# Altium PCB TINYMODULE-V3.PcbDoc (part 1 of 2) (continued)
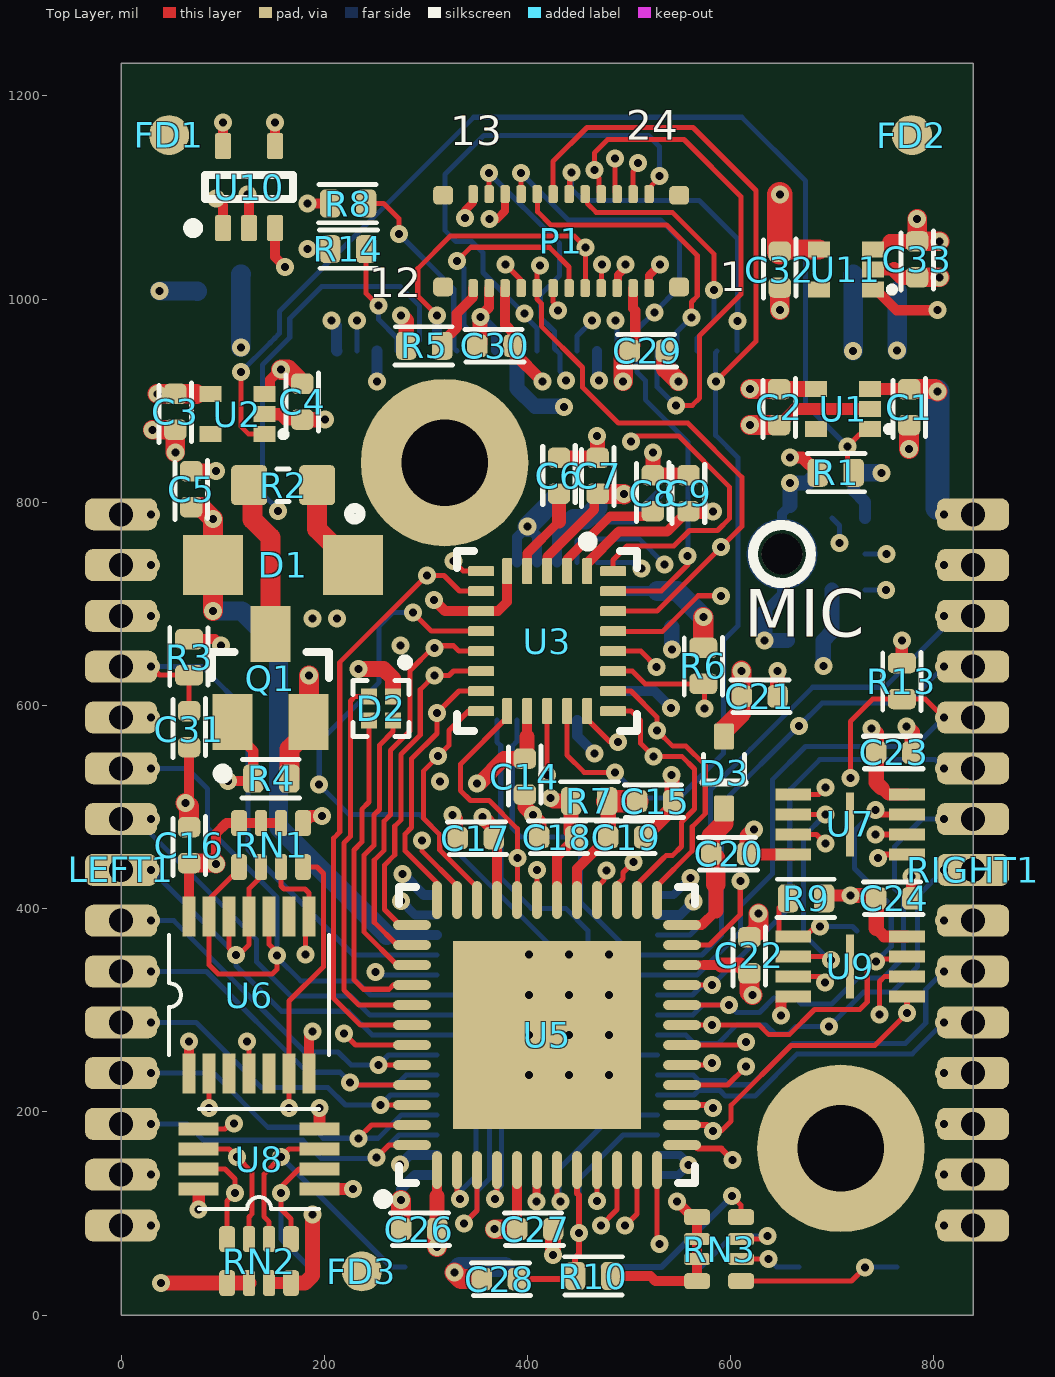
[diagram p0: Top Layer view]
## Components (designator, comment, footprint, x,y, rotation, side; value= is the part's Value field where it differs from the comment)
C1 "4.7uF" CAPC100X50X60L25N 775.58,893.7 r90 top locked
C2 "4.7uF" CAPC100X50X60L25N 647.63,893.7 r90 top locked
C3 "4.7uF" CAPC100X50X60L25N 53.42,889.05 r90 top locked
C4 "4.7uF" CAPC100X50X60L25N 178.42,899.06 r90 top locked
C5 "4.7uF" CAPC100X50X60L25N 68.89,812.99 r90 top locked
C6 "DNI" CAPC100X50X60L25N 431,826 r270 top
C7 "DNI" CAPC100X50X60L25N 469,826 r90 top
C8 "DNI" CAPC100X50X60L25N 523.42,809.06 r270 top locked
C9 "DNI" CAPC100X50X60L25N 558.42,809.06 r90 top locked
C10 "0.1uF" CAPC100X50X60L25N 431,826 r90 bottom
C11 "0.1uF" CAPC100X50X60L25N 469,826 r90 bottom
C12 "0.1uF" CAPC100X50X60L25N 542,695 r270 bottom
C13 "0.1uF" CAPC100X50X60L25N 703.42,829.05 r180 bottom
C14 "DNI" CAPC100X50X60L25N 397.41,530.05 r270 top locked
C15 "4.7uF" CAPC100X50X60L25N 525.59,505.91 r0 top locked
C16 "0.1uF" CAPC100X50X60L25N 66.92,462.6 r90 top locked
C17 "0.1uF" CAPC100X50X60L25N 349.17,469.48 r180 top
C18 "0.1uF" CAPC100X50X60L25N 429.13,470.48 r180 top locked
C19 "0.1uF" CAPC100X50X60L25N 497.12,470.48 r0 top locked
C20 "0.1uF" CAPC100X50X60L25N 598.42,454.06 r0 top locked
C21 "4.7uF" CAPC100X50X60L25N 628.43,609.07 r180 top locked
C22 "0.1uF" CAPC100X50X60L25N 618.43,354.06 r90 top locked
C23 "0.1uF" CAPC100X50X60L25N 760.9,553.75 r0 top locked
C24 "0.1uF" CAPC100X50X60L25N 760.9,410.2 r0 top locked
C25 "470pF" CAPC100X50X60L25N 673.42,664.05 r180 bottom
C26 "0.1uF" CAPC100X50X60L25N 293.31,84.65 r180 top locked
C27 "0.1uF" CAPC100X50X60L25N 407.48,84.65 r0 top locked
C28 "470pF" CAPC100X50X60L25N 372.82,35.44 r180 top locked
C29 "0.1uF" CAPC100X50X60L25N 518.42,949.06 r0 top locked
C30 "0.1uF" CAPC100X50X60L25N 368.43,954.06 r0 top locked
C31 "DNI" CAPC100X50X60L25N 66.92,576.77 r270 top locked
C32 "0.1uF" CAPC100X50X60L25N 648.42,1029.05 r270 top locked
C33 "4.7uF" CAPC100X50X60L25N 783.42,1039.06 r90 top locked
D1 "VSMY12850" vsmy12850 159.45,738.19 r180 top locked
D2 "UHD1110-FKA-CL1A13R3Q1BBQFMF3" UHD1110-FKA 255.9,597.24 r0 top locked
D3 "1N4148WT-7" SOD523F 593.42,534.04 r90 top locked
FD1 "FCM" FID100X200N 47.24,1161.42 r90 top
FD2 "FCM" FID100X200N 778.42,1161.42 r90 top
FD3 "FCM" FID100X200N 237,43 r0 top
FD4 "FCM" FID100X200N 747,899 r90 bottom
FD5 "FCM" FID100X200N 86,889 r90 bottom
FD6 "FCM" FID100X200N 90.55,47.25 r90 bottom
J1 "52437-2491" 524372491 419.29,964.57 r0 bottom locked
LEFT1 "CONN_GENERIC_15" CONN_GENERIC_1.27mm_15cont 0,438.19 r270 top locked
MK1 "SPH0645LM4H-B" Knowles_SPH0645LM4H-B_0 678.43,749.06 r90 bottom
P1 "503772-2420" 503772-2410 433.07,1057.09 r180 top locked
P2 "DF23C-30DS-0.5V(51)" DF23C-30DS-0.5V 419.29,275.59 r90 bottom
Q1 "FDV301N" FAIR-SOT23-3_V 147,627 r0 top
R1 "10k" RESC100X50X40L25N 703.43,829.06 r180 top locked
R2 "20" RESC1608X55N 159.45,816.93 r0 top locked
R3 "DNI" RESC100X50X40L25N 66.92,647.64 r270 top locked
R4 "10k" RESC100X50X40L25N 147.83,528.02 r0 top
R5 "0" RESC100X50X40L25N 298.42,954.06 r0 top locked
R6 "10k" RESC100X50X40L25N 573,639 r90 top
R7 "100" RESC100X50X40L25N 460.63,505.91 r180 top locked
R8 "10k" RESC100X50X40L25N 223.43,1094.06 r0 top locked
R9 "10k" RESC100X50X40L25N 674.29,410.2 r0 top locked
R10 "10k" RESC100X50X40L25N 464.57,38.47 r180 top locked
R13 "4.7k" RESC100X50X40L25N 768.42,624.06 r90 top locked
R14 "4.7k" RESC100X50X40L25N 223.43,1049.07 r180 top locked
RIGHT1 "CONN_GENERIC_15" CONN_GENERIC_1.27mm_15cont 838.58,438.19 r270 top locked
RN1 "10K" RESCAXS50P100X200X45-8NA 147.64,462.6 r90 top locked
RN2 "10K" RESCAXS50P100X200X45-8NA 135.83,53.15 r270 top locked
RN3 "10K" RESCAXS50P100X200X45-8NA 588.58,64.96 r180 top locked
TP1 "TEST POINT" TP-R20 529,808 r90 bottom
TP2 "TEST POINT" TP-R20 474.4,47.25 r90 bottom
TP3 "TEST POINT" TP-R20 667.32,47.25 r90 bottom
TP4 "TEST POINT" TP-R20 281.49,47.25 r90 bottom
TP5 "TEST POINT" TP-R20 763.77,47.25 r90 bottom
TP6 "TEST POINT" TP-R20 570.86,47.25 r90 bottom
TP7 "TEST POINT" TP-R20 377.95,47.25 r90 bottom
TP8 "TEST POINT" TP-R20 185.03,47.25 r90 bottom
TP9 "TEST POINT" TP-R20 724.42,378.02 r90 bottom
U1 "TCR2LE18ESV" SOT-553 710.63,891.73 r90 top locked
U2 "TCR2LE12ESV" SOT-553 114.45,886.73 r90 top locked
U3 "PAJ6100U6" lga26 419.29,663.39 r270 top
U4 "ICM-20689" QFN50P400X400X95-25N 419.29,663.39 r0 bottom
U5 "ICE40UP5K-SG48I" SLAB-QFN48-7X7-MD 419.29,275.59 r90 top locked
U6 "TC7MPB9327FK(EL)" VSSOP14-P-0030-0.50 125.99,314.96 r90 top locked
U7 "SST26WF080BT-104I/NP" SON50P300X200X60-9N 717.6,482.88 r0 top locked
U8 "TC7WPB9307FK,LF(CT" SSOP8-P-0.50A 135.82,153.55 r180 top locked
U9 "APS1604M-SQR-ZR" SON50P300X200X60-9N 717.6,343.27 r0 top locked
U10 "SN74AUC1G125DCKR" DCK0005A_L 125.98,1110.24 r90 top locked
U11 "TCR2LE28ESV" SOT-553 713.43,1029.06 r90 top locked

## Footprints (in the part's own frame and the unit in brackets; to place one, negate y for a bottom-side part, rotate by r counter-clockwise, add the part's x,y. Pads: shape width x height; smd on the part's side, far side on the other; paste and mask are expansions set on the pad)
503772-2410 [mm]
  rrect50% 0.24x0.45 smd: 1(-2.2,1.175) 2(-1.8,1.175) 3(-1.4,1.175) 4(-1,1.175) 5(-0.6,1.175) 6(-0.2,1.175) 7(0.2,1.175) 8(0.6,1.175) 9(1,1.175) 10(1.4,1.175) 11(1.8,1.175) 12(2.2,1.175) 13(2.2,-1.175) 14(1.8,-1.175) 15(1.4,-1.175) 16(1,-1.175) 17(0.6,-1.175) 18(0.2,-1.175) 19(-0.2,-1.175) 20(-0.6,-1.175) 21(-1,-1.175) 22(-1.4,-1.175) 23(-1.8,-1.175) 24(-2.2,-1.175)
  rrect50% 0.5x0.47 smd: FN1(-2.95,1.145) FN2(-2.95,-1.145) FN3(2.95,-1.145) FN4(2.95,1.145)
524372491 [mm]
  rect 0.3x0.8 smd: 1(-5.75,0.4) 2(-5.25,0.4) 3(-4.75,0.4) 4(-4.25,0.4) 5(-3.75,0.4) 6(-3.25,0.4) 7(-2.75,0.4) 8(-2.25,0.4) 9(-1.75,0.4) 10(-1.25,0.4) 11(-0.75,0.4) 12(-0.25,0.4) 13(0.25,0.4) 14(0.75,0.4) 15(1.25,0.4) 16(1.75,0.4) 17(2.25,0.4) 18(2.75,0.4) 19(3.25,0.4) 20(3.75,0.4) 21(4.25,0.4) 22(4.75,0.4) 23(5.25,0.4) 24(5.75,0.4)
  rect 1.3x3.05 smd: MPA1(-7.65,-1.525) MPA2(7.65,-1.525)
  rect 1.1x2.2 smd: MPB1(-8.75,-1.1) MPB2(8.75,-1.1)
  silkscreen extent -8.3,-3.7 8.3,1.3
CAPC100X50X60L25N [mm]
  rrect50% 0.51x0.56 smd mask+0: 1(-0.45,0) 2(0.45,0)
  silkscreen extent -0.76,-0.41 0.71,0.41
CONN_GENERIC_1.27mm_15cont [mm]
  rrect50% 0.8x1.8 / inner rrect50% 0x0 / far side rrect50% 0.65x1.8 hole 0.6: 1(-8.89,0) 2(-7.62,0) 3(-6.35,0) 4(-5.08,0) 5(-3.81,0) 6(-2.54,0) 7(-1.27,0) 8(0,0) 9(1.27,0) 10(2.54,0) 11(3.81,0) 12(5.08,0) 13(6.35,0) 14(7.62,0) 15(8.89,0)
DCK0005A_L [mm] "SOT23, 5-Leads, Body 2.15x1.4mm, Pitch 0.65mm, IPC High Density"
  rrect25% 0.65x0.4 smd: 1(-1.025,0.65) 2(-1.025,0) 3(-1.025,-0.65) 4(1.025,-0.65) 5(1.025,0.65)
  silkscreen extent -1.15,-1.1 0.3,1.52
DF23C-30DS-0.5V [mm]
  rrect50% 0.25x1.1 smd mask+0: 1(3.5,2.755) 2(3.5,-2.755) 3(3,2.755) 4(3,-2.755) 5(2.5,2.755) 6(2.5,-2.755) 7(2,2.755) 8(2,-2.755) 9(1.5,2.755) 10(1.5,-2.755) 11(1,2.755) 12(1,-2.755) 13(0.5,2.755) 14(0.5,-2.755) 15(0,2.755) 16(0,-2.755) 17(-0.5,2.755) 18(-0.5,-2.755) 19(-1,2.755) 20(-1,-2.755) 21(-1.5,2.755) 22(-1.5,-2.755) 23(-2,2.755) 24(-2,-2.755) 25(-2.5,2.755) 26(-2.5,-2.755) 27(-3,2.755) 28(-3,-2.755) 29(-3.5,2.755) 30(-3.5,-2.755)
  silkscreen extent -5.05,-3 5.05,3.02
FAIR-SOT23-3_V [mm] "SOT23, 3-Leads, Body 2.92x1.3mm, Pitch 0.95mm"
  rect 1x1.4 smd: 1(-0.95,-1.1) 2(0.95,-1.1) 3(0,1.1)
  silkscreen extent -1.46,-2.51 1.46,0.65
FID100X200N [mm]
  round 1 smd paste-0.51 mask+0: 1(0,0)
Knowles_SPH0645LM4H-B_0 [mm]
  rect 0.6x0.522 smd paste+0 mask+0: 1(-0.9,1.364) 2(-0.9,0.542) 4(0.9,0.542) 5(0.9,1.364) 6(0,1.364)
  round 0.2 smd: 3(0.762,-0.71) 3_1(-0.762,-0.71)
  round 1.016 hole 1.016 unplated mask+0: ""(0,-0.71)
  Top Layer lines w0.254: -0.762,-0.71 cw(c0,-0.71) 0,0.052 cw(c0,-0.71) 0.762,-0.71 cw(c0,-0.71) -0.762,-0.71
  silkscreen extent -2.15,-1.75 1.33,1.49
lga26 [mm]
  rrect25% 0.65x0.25 smd: 1(-1.75,1) 2(-1.75,0.5) 3(-1.75,0) 4(-1.75,-0.5) 5(-1.75,-1) 14(1.75,-1) 15(1.75,-0.5) 16(1.75,0) 17(1.75,0.5) 18(1.75,1)
  rrect25% 0.25x0.65 smd: 6(-1.75,-1.65) 7(-1.25,-1.65) 8(-0.75,-1.65) 9(-0.25,-1.65) 10(0.25,-1.65) 11(0.75,-1.65) 12(1.25,-1.65) 13(1.75,-1.65) 19(1.75,1.65) 20(1.25,1.65) 21(0.75,1.65) 22(0.25,1.65) 23(-0.25,1.65) 24(-0.75,1.65) 25(-1.25,1.65) 26(-1.75,1.65)
  silkscreen extent -2.61,-2.25 2.25,2.25
QFN50P400X400X95-25N [mm]
  rect 0.79x0.26 smd: 1(-1.97,1.25) 2(-1.97,0.75) 3(-1.97,0.25) 4(-1.97,-0.25) 5(-1.97,-0.75) 6(-1.97,-1.25) 13(1.97,-1.25) 14(1.97,-0.75) 15(1.97,-0.25) 16(1.97,0.25) 17(1.97,0.75) 18(1.97,1.25)
  rect 0.26x0.79 smd: 7(-1.25,-1.97) 8(-0.75,-1.97) 9(-0.25,-1.97) 10(0.25,-1.97) 11(0.75,-1.97) 12(1.25,-1.97) 19(1.25,1.97) 20(0.75,1.97) 21(0.25,1.97) 22(-0.25,1.97) 23(-0.75,1.97) 24(-1.25,1.97)
  rect 2.7x2.6 smd: 25(0,0)
  silkscreen extent -2.9,-2.05 2.05,2.05
RESC100X50X40L25N [mm]
  rrect50% 0.51x0.7 smd mask+0: 1(-0.45,0) 2(0.45,0)
  silkscreen extent -0.74,-0.48 0.71,0.48
RESC1608X55N [mm] "Chip Resistor, Body 1.6x0.8mm, EIA 0603, IPC Medium Density"
  rrect25% 0.9x1 smd: 1(-0.85,0) 2(0.85,0)
  silkscreen extent -0.15,-0.41 0.15,0.41
RESCAXS50P100X200X45-8NA [mm] "2 Side, Convex"
  rrect50% 0.65x0.4 smd: 1(-0.55,0.8) 4(-0.55,-0.8) 5(0.55,-0.8) 8(0.55,0.8)
  rrect50% 0.65x0.3 smd: 2(-0.55,0.25) 3(-0.55,-0.25) 6(0.55,-0.25) 7(0.55,0.25)
SLAB-QFN48-7X7-MD [mm] "QFN, 48-Leads, Body 7.00x7.00mm, Pitch 0.50mm, Thermal Pad 4.70x4.70mm, IPC Medium Density"
  oval 0.95x0.25 smd mask+0: 1(-3.375,2.75) 2(-3.375,2.25) 3(-3.375,1.75) 4(-3.375,1.25) 5(-3.375,0.75) 6(-3.375,0.25) 7(-3.375,-0.25) 8(-3.375,-0.75) 9(-3.375,-1.25) 10(-3.375,-1.75) 11(-3.375,-2.25) 12(-3.375,-2.75) 25(3.375,-2.75) 26(3.375,-2.25) 27(3.375,-1.75) 28(3.375,-1.25) 29(3.375,-0.75) 30(3.375,-0.25) 31(3.375,0.25) 32(3.375,0.75) 33(3.375,1.25) 34(3.375,1.75) 35(3.375,2.25) 36(3.375,2.75)
  oval 0.25x0.95 smd mask+0: 13(-2.75,-3.375) 14(-2.25,-3.375) 15(-1.75,-3.375) 16(-1.25,-3.375) 17(-0.75,-3.375) 18(-0.25,-3.375) 19(0.25,-3.375) 20(0.75,-3.375) 21(1.25,-3.375) 22(1.75,-3.375) 23(2.25,-3.375) 24(2.75,-3.375) 37(2.75,3.375) 38(2.25,3.375) 39(1.75,3.375) 40(1.25,3.375) 41(0.75,3.375) 42(0.25,3.375) 43(-0.25,3.375) 44(-0.75,3.375) 45(-1.25,3.375) 46(-1.75,3.375) 47(-2.25,3.375) 48(-2.75,3.375)
  rect 4.7x4.7 smd mask+0: EP(0,0)
  silkscreen extent -4.22,-3.7 3.7,4.22
SOD523F [mm] "SOD-523F; 2 Leads; Body 1.3 x 0.9 mm, (LxW)"
  rrect20% 0.65x0.5 smd: A(0.9,0) K(-0.9,0)
  silkscreen extent -0.25,-0.51 0.45,0.51
SON50P300X200X60-9N [mm]
  rect 0.89x0.3 smd mask+0: 1(-1.42,0.75) 2(-1.42,0.25) 3(-1.42,-0.25) 4(-1.42,-0.75) 5(1.42,-0.75) 6(1.42,-0.25) 7(1.42,0.25) 8(1.42,0.75)
  rect 0.2x1.6 smd mask+0: 9(0,0)
SOT-553 [mm]
  rect 0.4x0.55 smd mask+0: 1(-0.5,-0.675) 2(0,-0.675) 3(0.5,-0.675) 4(0.5,0.675) 5(-0.5,0.675)
  silkscreen extent -0.55,-1.2 -0.45,-1.1
SSOP8-P-0.50A [mm]
  rect 1x0.33 smd: 1(-1.51,0.75) 2(-1.51,0.25) 3(-1.51,-0.25) 4(-1.51,-0.75) 5(1.51,-0.75) 6(1.51,-0.25) 7(1.51,0.25) 8(1.51,0.75)
  silkscreen extent -1.5,-1.25 1.5,1.25
TP-R20 [mm]
  round 1 smd paste-0.762 mask+0: 1(0,0)
UHD1110-FKA [mm]
  rect 0.4x0.4 smd: 1(-0.3,0.3) 2(-0.3,-0.3) 3(0.3,-0.3) 4(0.3,0.3)
  silkscreen extent -0.7,-0.7 0.7,1.25
vsmy12850 [mm]
  rect 1.5x1.5 smd: A(1.75,0) C(-1.75,0)
VSSOP14-P-0030-0.50 [mm]
  rect 1x0.33 smd mask+0: 1(-1.96,1.5) 2(-1.96,1) 3(-1.96,0.5) 4(-1.96,0) 5(-1.96,-0.5) 6(-1.96,-1) 7(-1.96,-1.5) 8(1.96,-1.5) 9(1.96,-1) 10(1.96,-0.5) 11(1.96,0) 12(1.96,0.5) 13(1.96,1) 14(1.96,1.5)
  silkscreen extent -1.5,-2 1.5,2

## Part data
C1 C2 C3 C4 C21 C33: library part Cap_1uF_X5R_10%_6V3_0402, "CAP CER 4.7UF 6.3V X5R 0402"
C5 C15: library part "CAP NP", "CAP CER 4.7UF 6.3V X5R 0402"
C6 C8: library part Cap_1uF_X5R_10%_6V3_0402, "CAP CER 4.7UF 10V X5R 0402"
C7 C9 C14 C31: library part Cap_100nF_X7R_10%_0402, "CAP CER 0.1UF 6.3V X5R 0402"
C10 C11 C12 C13 C16 C17 C18 C19 C20 C22 C23 C24 C26 C27 C29 C30 C32: library part Cap_100nF_X7R_10%_0402, "CAP CER 0.1UF 10V X5R 0402"
C25: library part CAP, "CAP CER 470PF 50V X7R 0402"
C28: library part Cap_100nF_X7R_10%_0402, "CAP CER 470PF 50V X7R 0402"
D1: library part LED, "EMITTER IR 850NM 70MA 3.20MM SMD"
D2: "HB, SMD, RGB"
D3: library part DIODE, "DIODE GEN PURP 80V 125MA SOD523"
FD1 FD2 FD3 FD4 FD5 FD6: "Fiducial marker"
J1: "Connector"
MK1: "CRAWFORD MIC DGT I2S BOTTOM PORT"
P1: library part "Header 12X2A", "CONN RCPT 24POS SMD GOLD"
P2: library part "Header 15X2", "Header, 15-Pin, Dual row"
Q1: "MOSFET N-CH 25V 220MA SOT-23"
R1 R3 R4 R6 R8 R9 R10: library part Res_10K_1%_0402, "RES 10K OHM 1/16W 5% 0402"
R2: library part Res_10K_1%_0402, "RES 20 OHM 5% 1/16W 0402"
R5: library part Res_10K_1%_0402, "RES SMD 0 OHM JUMPER 1/16W 0402"
R7: library part Res_100_1%_0402, "RES 100 OHM 5% 1/16W 0402"
R13 R14: library part Res_10K_1%_0402, "RES SMD 4.7K OHM 5% 1/16W 0402"
RN1 RN2 RN3: library part EXB28V, "RES ARRAY 4 RES 10K OHM 0804"
U1 U11: library part TCR2LE12ESV
U3: library part PAJ6100U6_DS, "Camera Module"
U4: library part MPU-6500, "IMU ACCEL/GYRO/TEMP I2C/SPI QFN"
U5: "IC FPGA 39 I/O 48QFN"
U6: library part TC7MPB9327FK, "X34 DUAL-SUPPLY LEVEL SHIFT SPDT"
U7: library part IS25WQ040-JNLE, "IC FLASH 8M SPI 104MHZ 8USON"
U8: library part TC7WPB9307FK, "X34 GENERAL-PURPOSE BUS SWITCH L"
U9: library part IS25WQ040-JNLE, "qSPI SRAM"
U10: library part TI-SN74AXXXX1X125-5, "IC BUF NON-INVERT 2.7 V SC70-5"

## Free pads (board coordinates)
  round 165 hole 85 mask+0: 1(318.42,839.06) 2(708.42,164.06)

## Via types
v1: diameter 17.72, hole 7.87, Top Layer to Bottom Layer, tented both sides, 262 vias

## Nets (pads, with @x,y where several pads share a name; then routed paths per layer and width w, separated by ;. In a path a pad name is that pad's centre, name@x,y a point inside that pad or via, vN(x,y) a via of type N, cw(c..) or ccw(c..) an arc to the next point about the centre after c; other vN are vias at no path point)
CAM_PWDN: J1.8 R8.2 | length 192.5
  Top Layer w5: R8.2@241.15,1094.06 258.42,1094.06 273.42,1079.06 v1(273.42,1064.06)
  Bottom Layer w5: v1(273.42,1064.06) 327.38,1010.1 327.38,952.15 J1.8@330.71,948.82
DONE: P2.23 RIGHT1.13 U5.7 | length 708.2
  Top Layer w5: U5.7@429.13,142.72 429.13,115.35 v1(432.42,112.06)
  Mid-Layer 2 w5: v1(432.42,112.06) 432.42,125.42 438,131 573.07,131 577.07,135 609.17,135 618.42,144.26 618.42,208.06 666.52,256.16 767.31,256.16 809.72,213.75 v1(809.72,188.19)
  Bottom Layer w5: v1(432.42,112.06) 431.1,113.38 431.1,143.71 484.25,196.86 P2.23@527.76,196.85
DVDD15: P1.12 R5.2 | length 69.3
  Top Layer w10: R5.2@316.14,954.06 316.14,957.79 330.29,971.95 330.29,985.85 346.46,1002.02 P1.12@346.46,1010.83
FLASH_SSN: RN2.2 TP4.1 U5.16 U7.1 U8.3 | length 1265.5
  Top Layer w5: RN2.2@145.67,74.81 145.66,91.81 140.57,96.9 140.57,138.61 v1(157.48,155.52) 165.35,163.39 U8.3@195.27,163.39 ; U5.16@552.17,226.38 596.92,226.38 v1(615.11,244.57) ; U7.1@661.69,512.41 686.77,512.41 v1(693.42,519.06)
  Mid-Layer 1 w5: v1(615.11,244.57) 648.8,278.25 657.72,278.25 669.75,290.29 669.75,300.39 680.22,310.86 699.46,310.86 725.64,337.04 725.64,357.88 734.36,366.59 734.36,423.07 713.22,444.21 713.22,499.46 693.62,519.06 v1(693.42,519.06)
  Mid-Layer 2 w5: v1(157.48,155.52) 178.89,155.52 215.43,192.06 241.42,192.06 254.42,179.06 320.88,179.06 358.83,217 529.37,217 534.06,221.7 592.35,221.7 615.11,244.46 v1(615.11,244.57)
  Bottom Layer w5: v1(157.48,155.52) 265.75,47.25 TP4.1@279.52,47.25
GND_SIGNAL: C1.1 C2.1 C3.1 C4.1 C5.2 C6.1 C7.2 C8.1 C9.2 C10.2 C11.2 C12.2 C13.2 C14.2 C15.2 C16.2 C17.2 C18.2 C19.2 C20.2 C21.1 C22.2 C23.2 C24.2 C25.2 C26.2 C27.2 C28.2 C29.2 C30.2 C31.2 C32.2 C33.1 J1.2 J1.15 J1.MPA1 J1.MPA2 J1.MPB1 J1.MPB2 LEFT1.14 LEFT1.15 MK1.3 MK1.3_1 P1.1 P1.3 P1.10 P1.13 P1.15 P2.27 P2.28 P2.29 P2.30 Q1.2 R4.2 R8.1 RIGHT1.14 RIGHT1.15 TP7.1 U1.2 U2.2 U3.5 U3.8 U4.18 U4.20 U5.EP U6.7 U7.4 U8.4 U9.4 U10.3 U11.2 | length 2461.5
  Top Layer w8: v1(338.42,1080.06) 338.42,1087.06 346.45,1095.09 P1.13@346.46,1103.35 ; v1(362.42,1079.06) 370.42,1079.06 377.95,1086.59 P1.15@377.95,1103.35 ; P1.3@488.19,1010.83 488.91,1011.55 488.91,1023.65 496.56,1031.3 v1(496.56,1033.92) ; P1.1@519.69,1010.83 519.68,1023.32 v1(530.42,1034.06)
  Top Layer w9.84: U10.3@151.58,1069.89 151.57,1041.34 v1(161.41,1031.5)
  Top Layer w10: v1(63.42,504.06) 66.92,507.56 C31.2@66.92,559.06 ; v1(183.42,1094.06) R8.1@205.71,1094.06 ; U6.7@185.03,237.81 185.03,275.67 v1(188.42,279.06) ; v1(308,704) 319.09,692.91 U3.8@354.33,692.91 354.41,692.99 370.99,692.99 379.84,701.84 379.84,732.21 U3.5@379.92,732.28 ; P1.10@377.95,1010.83 377.95,974.67 386.14,966.48
  Top Layer w10.81: v1(649.42,295.06) 649.42,309.06 654.11,313.75 U9.4@661.69,313.75
  Top Layer w11.81: C2.1@647.63,875.99 663.38,891.74 710.62,891.74
  Top Layer w12: U2.2@141.02,886.73 156.55,886.74 161.94,881.35 C4.1@178.42,881.35 ; U8.4@195.27,183.08 v1(195.26,204.06) ; 386.14,966.48 386.14,947.44 v1(414.52,919.06) ; C20.2@616.14,454.06 616.84,453.35 U7.4@661.69,453.35 ; 710.62,891.74 U1.2@737.2,891.73 ; U11.2@740,1029.06 760.72,1029.06 ; v1(777.82,431.86) 778.62,431.06 C24.2@778.62,410.2
  Top Layer w14.75: 760.72,1029.06 768.44,1021.34 C33.1@783.42,1021.34
  Top Layer w15: C5.2@68.89,830.71 v1(93.42,830.71) ; C4.1@178.42,881.35 v1(200.71,881.35) ; v1(326,491.99) 326,491.26 328.91,488.34 328.91,473 C17.2@331.44,470.48 ; C14.2@397.41,512.34 397.41,500.07 v1(405.42,492.06) 405.42,491.06 411.41,485.07 C18.2@411.42,470.48 ; C6.1@431,843.72 C7.2@469,843.72 468.79,843.93 468.79,865.09 v1(468.58,865.3) ; C19.2@514.84,470.48 514.84,471.46 540.77,497.39 540.77,503.37 C15.2@543.31,505.91 542.16,507.05 542.16,531.25 v1(541.64,531.77) ; v1(523.42,849.05) C8.1@523.42,826.78 C9.2@558.42,826.78 ; C20.2@616.14,454.06 616.13,471.37 v1(622.72,477.96) ; C21.1@646.15,609.07 v1(646.14,634.06) ; v1(773.02,579.46) 778.62,573.86 C23.2@778.62,553.75
  Top Layer w15.75: v1(425.2,59.06) C27.2@425.2,84.65
  Top Layer w19: C29.2@536.14,949.06 536.13,931.35 v1(548.42,919.06)
  Top Layer w19.08: v1(31.13,871.34) C3.1@53.42,871.34 v1(53.42,849.05) ; v1(648.42,989.05) C32.2@648.42,1011.34 ; C33.1@783.42,1021.34 v1(805.71,1021.34)
  Top Layer w19.68: v1(63.42,504.06) 66.79,500.69 66.79,480.46 C16.2@66.92,480.32 ; R4.2@165.55,528.02 165.74,528.22 165.74,557.16 184.4,575.82 Q1.2@184.4,583.69 185.03,584.33 v1(185.03,629.46) ; C26.2@275.59,84.65 v1(275.59,113.35) ; v1(328,42) 334.58,35.42 C28.2@355.11,35.44 ; v1(619.09,875.99) C2.1@647.63,875.99 ; v1(775.58,852.37) C1.1@775.58,875.99
  Top Layer w20: C22.2@618.43,371.78 619.42,371.78 627.42,379.79 v1(627.42,395.06)
  Bottom Layer w8: P2.29@527.76,137.8 548.56,137.8 v1(558.62,147.86) 558.62,148.86 549.99,157.49 P2.27@527.76,157.48
  Bottom Layer w10: v1(274.42,148.06) 283.85,157.49 P2.28@310.83,157.48 ; v1(275.59,113.35) 275.59,124.23 289.16,137.8 P2.30@310.83,137.8 ; U4.20@448.82,585.83 448.94,585.71 448.94,570.06 v1(466,553) ; J1.15@468.5,948.82 468.5,922.01 v1(470.58,919.93) ; U4.18@496.85,614.17 524.96,614.17 541.28,597.85 v1(541.28,597.35) ; 633.42,692.58 650.47,709.63 MK1.3_1@650.47,719.06 ; MK1.3@650.47,779.06 650.47,789.02 658.42,796.97
  Bottom Layer w10.81: v1(207,979) 212.1,973.9 212.1,949.32 J1.2@212.6,948.82
  Bottom Layer w15: C10.2@431,843.72 C11.2@469,843.72 468.79,843.93 468.79,865.09 v1(468.58,865.3) ; C12.2@542,677.28 C12.2@542,677.28 v1(542.03,655.03) ; 633.42,692.58 v1(633.42,664.05) C25.2@655.71,664.05 ; 658.42,796.97 v1(658.42,819.06) 675.71,819.06 C13.2@685.71,829.05
  Bottom Layer w19: v1(38,1008) 74.67,1008 J1.MPB1@74.8,1007.87 ; v1(117.9,952.27) 117.9,1024.39 J1.MPA1@118.11,1024.61 ; v1(720.47,949.06) J1.MPA2@720.47,1024.61 ; v1(763.78,949.42) J1.MPB2@763.78,1007.87
  Bottom Layer w19.68: v1(328,42) 333.25,47.25 TP7.1@377.95,47.25
  other v1: 29.55,88.19 809.72,88.19 29.55,138.19 809.72,138.19 401.57,236.23 440.94,236.23 480.31,236.23 401.57,275.6 440.94,275.6 480.31,275.6 401.57,314.97 440.94,314.97 480.31,314.97 401.57,354.97 440.94,354.97 480.31,354.97
GPIO_0: LEFT1.11 P2.22 U5.46 | length 350.1
  Top Layer w5: v1(255.42,206.7) U5.46@286.42,206.69
  Bottom Layer w5: v1(29.55,288.19) 73.81,288.19 137.94,224.06 203.42,224.06 220.78,206.7 v1(255.42,206.7) 265.26,216.54 P2.22@310.83,216.54
GPIO_1: LEFT1.12 P2.24 U5.47 | length 375.7
  Top Layer w5: v1(233.42,174.06) 246.37,187.01 U5.47@286.42,187.01
  Bottom Layer w5: v1(29.55,238.19) 91.08,238.19 144.38,184.89 188.11,184.89 198.94,174.06 v1(233.42,174.06) 253.06,174.06 275.86,196.86 P2.24@310.83,196.85
GPIO_2: LEFT1.13 P2.26 U5.48 | length 345.1
  Top Layer w5: v1(251.42,155.06) 263.69,167.33 U5.48@286.42,167.32
  Bottom Layer w5: v1(29.55,188.19) 64.9,188.19 80.99,172.1 178.9,172.1 196.94,154.06 250.42,154.06 273.53,177.17 P2.26@310.83,177.17
HOST_INTR: LEFT1.10 P2.20 U5.45 | length 393.6
  Top Layer w5: v1(225.42,229.06) 228.1,226.38 U5.45@286.42,226.38
  Bottom Layer w5: v1(29.55,338.19) 83.97,338.19 183.1,239.06 215.42,239.06 227.86,226.62 270.99,226.62 280.59,236.23 P2.20@310.83,236.22
HOST_MISO: LEFT1.8 P2.16 RN1.2 U5.2 U6.11 U6.12 | length 724.1
  Top Layer w5: U6.12@106.3,392.12 106.29,361.19 v1(112.92,354.56) 115.98,354.56 125.98,364.56 U6.11@125.99,392.12 125.98,419.62 137.79,431.43 RN1.2@137.8,440.95 ; U5.2@330.71,142.72 330.71,116.77 v1(333.42,114.06)
  Bottom Layer w5: v1(29.55,438.19) 112.92,354.82 112.92,344.08 157.94,299.06 223.62,299.06 247.08,275.6 P2.16@310.83,275.59 338.88,275.6 349.42,265.06 349.42,137.06 333.42,121.06 v1(333.42,114.06)
HOST_MOSI: LEFT1.6 P2.12 RN1.1 U5.4 U6.10 U6.13 | length 946
  Top Layer w5: RN1.1@116.14,440.95 116.14,438.79 86.61,409.26 86.61,344.71 95.64,335.68 148.68,335.68 153.42,340.42 153.42,357.13 145.66,364.89 U6.10@145.67,392.12 ; v1(368.11,114.18) 370.08,116.15 U5.4@370.08,142.72
  Bottom Layer w5: v1(29.55,538.19) 64.81,538.19 85,518 85,479.57 153.42,411.15 v1(153.42,354.06) 153.42,352.3 176.72,329 231.48,329 245.51,314.97 P2.12@310.83,314.96 345.5,314.97 374.42,286.05 374.42,128.05 368.11,121.74 v1(368.11,114.18)
HOST_SCK: LEFT1.9 P2.18 RN2.4 U5.44 U8.7 | length 722.9
  Top Layer w5: U8.7@76.38,143.71 102.35,143.71 112.17,133.89 v1(112.17,120.08) 104.33,112.24 RN2.4@104.33,74.81 ; v1(253.42,246.07) U5.44@286.42,246.06
  Mid-Layer 2 w5: v1(112.17,120.08) 119.45,120.08 140.82,141.45 140.82,226.82 160.07,246.07 v1(253.42,246.07)
  Bottom Layer w5: v1(29.55,388.19) 51.82,388.19 180.95,259.06 213.41,259.06 226.4,246.07 v1(253.42,246.07) 263.26,255.91 P2.18@310.83,255.91
HOST_SSN: LEFT1.7 P2.14 RN2.3 U5.3 U8.6 | length 1232.2
  Top Layer w5: U8.6@76.38,163.39 106.3,163.39 v1(114.17,155.52) 129.03,140.65 129.03,99.66 125.98,96.61 RN2.3@125.99,74.81 ; v1(337.42,90.06) 350.39,103.03 U5.3@350.39,142.72
  Mid-Layer 2 w5: v1(114.17,155.52) 87.88,155.52 59.42,127.06 59.42,92.72 98.14,54 274.87,54 310.92,90.06 v1(337.42,90.06)
  Bottom Layer w5: v1(29.55,488.19) 29.55,473.35 133.42,369.48 133.42,347.58 166.94,314.06 226.03,314.06 244.81,295.28 P2.14@310.83,295.28 337.2,295.28 362.42,270.06 362.42,134.07 350.39,122.04 350.39,103.03 v1(337.42,90.06)
IMAGER_SSN: R6.1 U3.21 U5.35 U10.1 | length 1473.8
  Top Layer w5: v1(296.35,466.99) 296.35,456.6 330.71,422.25 U5.35@330.71,408.47 ; U3.21@484.25,633.86 503.14,633.86 515.72,621.28 R6.1@573,621.28 574.36,619.93 v1(574.36,597)
  Top Layer w9.84: v1(93.42,1099.06) 100.39,1092.09 U10.1@100.39,1069.89
  Mid-Layer 1 w5: v1(93.42,1099.06) 93.42,1022.58 222,894 222,792.71 255,759.71 255,547 276.94,525.06 v1(314.12,525.06)
  Mid-Layer 2 w5: v1(296.35,466.99) 296.35,507.29 v1(314.12,525.06) ; v1@296.38,469.84 296.38,422.95 335.32,384 478,384 574.36,480.36 v1(574.36,597)
IMU_INTR: U4.12 U5.9 | length 833.3
  Top Layer w5: v1(468.5,112.21) U5.9@468.5,142.72
  Mid-Layer 1 w5: v1(468.5,112.21) 423.42,157.29 423.42,414.42 493,484 521,484 558,521 558,605.16 545.16,618 516.64,618 503,631.64 503,726 v1(512,735)
  Bottom Layer w5: U4.12@468.5,740.95 502.71,740.95 508.66,735 v1(512,735)
LDO_EN: P2.5 R1.1 RIGHT1.3 U1.1 U2.1 | length 1811.7
  Top Layer w5: v1(117.82,928.16) 117.82,874.86 125.63,867.05 U2.1@141.02,867.05 ; R1.1@721.15,829.06 715.16,835.04 715.16,842.67 715,842.83 v1(715,855) 726.67,866.67 731.83,866.67 U1.1@737.2,872.05
  Mid-Layer 1 w5: v1(715,855) 715,835.68 792.42,758.26 792.42,705.49 v1(809.72,688.19)
  Bottom Layer w5: v1(117.82,928.16) 146.73,957.07 146.81,957.07 151.2,961.46 151.2,961.54 156,966.33 156,988 347,1179 611,1179 673.82,1116.18 673.82,896.18 v1(715,855) ; P2.5@527.76,374.02 559.88,374.02 580.02,394.16 580.02,517.36 619.62,556.96 680.67,618 751.51,618 809.72,676.22 v1(809.72,688.19)
LED_BLUE: D2.1 U5.41 | length 380.8
  Top Layer w5: D2.1@244.09,609.05 230.41,609.05 225.72,604.36 225.72,471.25 219.19,464.72 219.19,319.88 233.95,305.12 U5.41@286.42,305.12
LED_GREEN: D2.2 U5.40 | length 324.3
  Top Layer w5: D2.2@244.09,585.42 244.09,504.93 236.92,497.76 236.92,465.59 229.19,457.86 229.19,330.08 238.51,320.76 263.81,320.76 267.86,324.81 U5.40@286.42,324.81
LED_RED: D2.3 U5.39 | length 281
  Top Layer w5: D2.3@267.71,585.42 267.71,574.45 254.22,560.96 254.22,497.65 248.72,492.15 248.72,462.29 239.19,452.76 239.19,376.95 271.65,344.49 U5.39@286.42,344.49
MEM_SCK: RN2.1 TP8.1 U5.15 U7.6 U8.2 U9.6 | length 1246
  Top Layer w5: RN2.1@167.33,74.81 167.32,94.5 157.48,104.34 v1(157.48,120.08) 157.48,125.99 175.19,143.71 U8.2@195.26,143.71 ; v1(746.42,296.06) 746.42,328.29 751.56,333.43 U9.6@773.5,333.43
  Top Layer w6: U5.15@552.17,206.69 579.78,206.7 v1(582.42,204.06) ; v1(742.42,473.04) U7.6@773.5,473.03
  Mid-Layer 1 w5: v1(582.42,204.06) 599.42,221.06 615.62,221.06 680.59,286.03 680.59,294.61 686.84,300.86 713.44,300.86 718.24,296.06 v1(746.42,296.06) 761.72,311.36 761.72,363.96 747.02,378.66 747.02,424.56 728.7,442.88 728.7,456.44 728.72,459.34 v1(742.42,473.04)
  Mid-Layer 2 w5: v1(157.48,120.08) 157.48,102.52 184,76 265.39,76 296.66,107.28 296.66,136.66 364.06,204.06 v1(582.42,204.06)
  Bottom Layer w5: v1(157.48,120.08) 157.48,74.8 TP8.1@185.03,47.25
MEM_SIO0: RN3.1 TP5.1 U5.14 U6.2 U7.5 U9.5 | length 1649.6
  Top Layer w5: v1(86.61,204.06) U6.2@86.61,237.81 ; v1(582.42,181.06) 590.42,181.06 600.42,191.06 600.42,206.65 659.23,265.46 741.75,265.46 v1@773.5,297.21 ; RN3.1@610.23,33.47 718.83,33.47 v1(732.42,47.06) ; v1(745.06,449.66) 748.75,453.35 v1@749.41,453.35
  Top Layer w6: U5.14@552.17,187.01 576.47,187.01 v1(582.42,181.06) ; v1@749.41,453.35 U7.5@773.5,453.35 ; v1(773.4,297.21) 773.5,297.21 U9.5@773.5,313.75
  Mid-Layer 1 w5: v1(582.42,181.06) 582.42,161.66 585.56,158.52 585.56,140.42 591.82,134.16 609.84,134.16 696.94,47.06 v1(732.42,47.06) ; v1(745.06,449.66) 758.72,436 758.72,387.64 773.5,372.86 773.5,297.31 v1(773.4,297.21)
  Mid-Layer 2 w5: v1(86.61,204.06) 87.37,204.81 121.19,204.81 130.53,195.47 130.53,146.17 121.42,137.06 103.42,137.06 95.42,129.06 95.42,94.58 125,65 269,65 308,104 308,131 358.06,181.06 v1(582.42,181.06)
  Bottom Layer w5: v1(732.42,47.06) 732.61,47.25 TP5.1@763.77,47.25
MEM_SIO1: RN3.4 TP2.1 U5.17 U6.4 U7.2 U9.2 | length 1761.6
  Top Layer w5: v1(124.01,269.06) 125.98,267.09 U6.4@125.98,237.81 ; U5.17@552.17,246.06 579.43,246.07 v1(581.42,248.06) ; v1(601.42,117.06) 610.23,108.25 RN3.4@610.23,96.46 ; U9.2@661.69,353.12 693.76,353.12 697.5,349.38 v1(698.67,349.38) ; U7.2@661.69,492.72 v1(693.42,492.72)
  Mid-Layer 1 w5: v1(581.42,248.06) 554.43,221.07 554.43,175.45 575.12,154.76 575.12,133.16 591.22,117.06 v1(601.42,117.06)
  Mid-Layer 2 w5: v1(124.01,269.06) 48.42,193.47 48.42,85.58 92,42 276.06,42 295.56,22.5 565.85,22.5 601.42,58.08 v1(601.42,117.06) ; v1(581.42,248.06) 552,277.48 552,331 570.38,349.38 v1(698.67,349.38)
  Bottom Layer w5: v1(693.42,492.72) 671.52,470.82 671.52,375.36 697.5,349.38 v1(698.67,349.38)
  Bottom Layer w6: TP2.1@474.4,47.25 531.61,47.25 v1(601.42,117.06)
MEM_SIO2: RN3.3 TP6.1 U5.18 U7.3 U9.3 | length 821
  Top Layer w5: U5.18@552.17,265.75 611.81,265.75 v1(614.92,268.86) ; RN3.3@610.23,74.81 633.17,74.81 v1(636.42,78.06) ; U9.3@661.69,333.43 686.85,333.43 v1(692.87,327.41) ; U7.3@661.69,473.03 684.44,473.04 v1(693.42,464.06)
  Mid-Layer 1 w5: v1(636.42,78.06) 605.29,78.06 542.27,141.08 542.27,253.57 557.55,268.86 v1(614.92,268.86) 628.22,282.16 628.22,297.86 657.77,327.41 v1(692.87,327.41) 699.84,327.41 715.03,342.6 715.03,392.83 693.42,414.44 v1(693.42,464.06)
  Bottom Layer w5: TP6.1@570.86,47.25 601.67,78.06 v1(636.42,78.06)
MEM_SIO3: RN3.2 TP3.1 U5.19 U7.7 U9.7 | length 896.2
  Top Layer w5: U5.19@552.17,285.43 v1(581.77,285.44) 628.15,285.44 637.53,276.06 657.72,276.06 682.42,300.76 727.12,300.76 734.42,308.06 734.42,339.42 745.43,350.43 770.82,350.43 U9.7@773.5,353.12 ; RN3.2@610.23,55.12 v1(637.42,55.12)
  Top Layer w6: v1(742.42,497.06) 746.76,492.72 U7.7@773.5,492.72
  Mid-Layer 1 w5: v1(581.77,285.44) 548.05,285.44 530.64,268.03 530.64,105.22 580.75,55.12 v1(637.42,55.12)
  Bottom Layer w5: v1(637.42,55.12) 645.29,47.25 TP3.1@667.32,47.25 ; v1(742.42,497.06) 721.82,476.46 721.82,439.47 758,403.3 758,363 v1(743,348)
MIC_CLK: MK1.4 P2.11 RIGHT1.6 U5.21 | length 816.2
  Top Layer w5: U5.21@552.16,324.81 v1(581.77,324.81)
  Mid-Layer 1 w5: v1(707,760) 716,769 762.78,769 781.12,750.66 781.12,685.06 791.62,674.56 791.62,556.29 v1(809.72,538.19)
  Bottom Layer w5: P2.11@527.76,314.96 562.33,314.97 572.17,324.81 v1(581.77,324.81) 658.12,401.16 658.12,517.12 687.66,546.66 801.25,546.66 v1(809.72,538.19) ; MK1.4@699.76,784.49 707,777.26 v1(707,760)
MIC_DOUT: MK1.6 P2.13 RIGHT1.7 U5.20 | length 831.7
  Top Layer w5: U5.20@552.17,305.12 v1(598.42,305.12)
  Mid-Layer 1 w5: v1(753.42,749.06) 770.12,732.36 770.12,701.06 733,663.93 733,624 755.92,601.08 755.92,560.87 809.72,507.07 v1(809.72,488.19)
  Bottom Layer w5: P2.13@527.76,295.28 562.63,295.28 572.47,305.12 v1(598.42,305.12) 605.68,297.86 628.23,297.86 642.43,312.06 663.42,312.06 669.42,306.06 699.12,306.06 724.71,331.64 749.78,331.64 770,351.87 770,411 761.42,419.58 761.42,461.42 788.19,488.19 v1(809.72,488.19) ; MK1.6@732.13,749.06 v1(753.42,749.06)
MIC_WS: MK1.1 P2.15 RIGHT1.8 U5.13 | length 977.7
  Top Layer w6: U5.13@552.17,167.32 564.15,167.33 567.62,163.86 590.72,163.86 v1(601.92,152.66)
  Mid-Layer 1 w5: v1(601.92,152.66) 601.92,189.06 v1(696.95,284.09) ; v1(752.99,713.63) 720.82,681.46 720.82,571.18 761.72,530.28 761.72,486.19 v1(809.72,438.19)
  Bottom Layer w5: P2.15@527.76,275.59 555.87,275.6 564.41,267.06 587.42,267.06 606.02,285.66 634.42,285.66 643.52,276.56 656.62,276.56 664.15,284.09 v1(696.95,284.09) 730.87,318 759,318 784,343 784,412.46 v1(809.72,438.19) ; MK1.1@732.13,713.62 v1(752.99,713.63)
NetC11_1: C11.1 TP1.1 U4.10 | length 173
  Bottom Layer w10: U4.10@429.13,740.95 429.14,767.08 445.3,783.24 ; 457.14,783.24 504.24,783.24 TP1.1@529,808
  Bottom Layer w20: 445.3,783.24 457.14,783.24 468.85,794.96 468.85,808.24 468.89,808.28 C11.1@469,808.28
NetD1_C: D1.C R2.2 | length 93.4
  Top Layer w19.68: R2.2@192.91,816.93 192.91,773.62 D1.C@228.35,738.19
NetQ1_3: Q1.3 R2.1 | length 155.3
  Top Layer w19.68: R2.1@125.99,816.93 129.32,813.59 129.32,783.07 147,765.39 Q1.3@147,670.31